# Altium PCB uz_per_wolfspeed_25kw_FM3.PcbDoc (part 1 of 2) (continued)
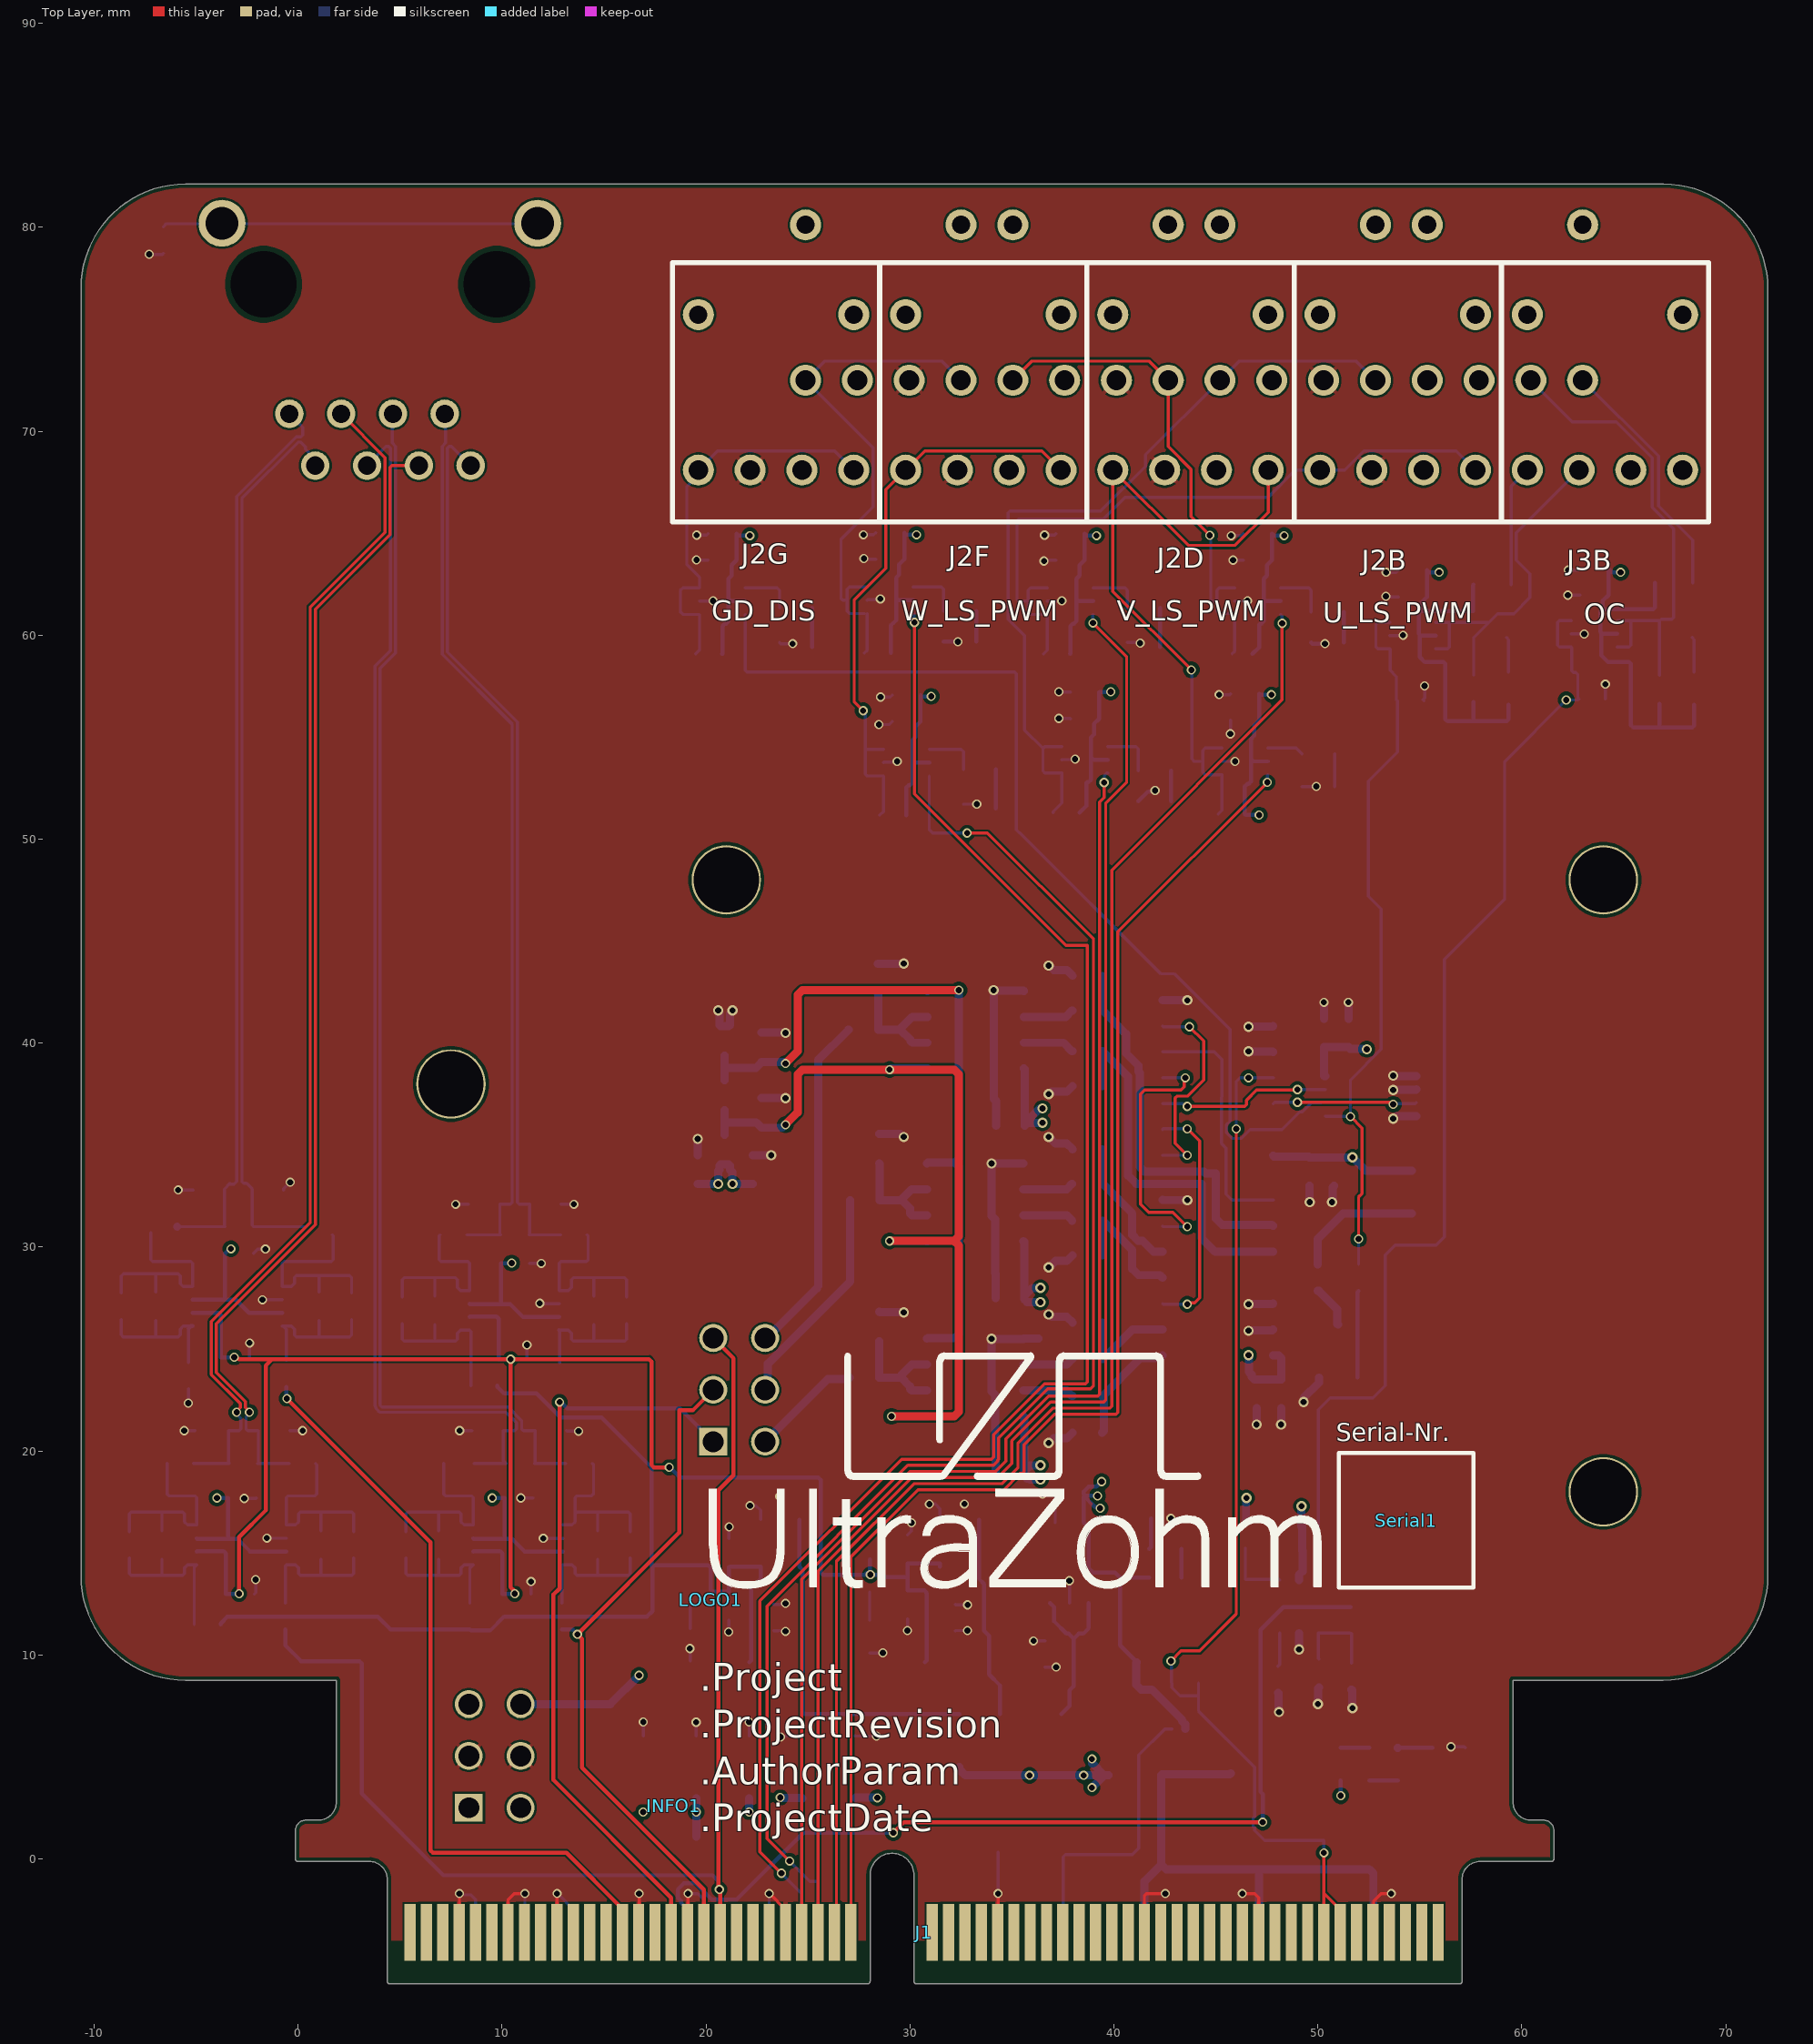
[diagram p0: Top Layer view]
## Part data (continued)
C50: library part 06035C222JAT2A, "Capacitor 0603, 50 VDC, 2.2 nF, X7R", Device Package=0603, LCSC Part Number=C93190, Manufacturer=AVX, Operating Temperature="-55 - 125°C", Supplier Part Number 1=581-06035C222J, TOLERANCE="5 %", Voltage Rating="50 VDC", Component Type="Capacitor 0603", ComponentLink1Description=Datasheet, ComponentLink1URL=https://www.mouser.de/datasheet/2/40/X7RDielectric-777024.pdf, Created from=MGremer, Created On="20/12/2020 13:54:13", Last Updated="15/02/2023 17:14:22", Live Cycle Status=1, Manufacturer Part Number=06035C222JAT2A, Mounting Type=SMD, PartID=77, Series="MLCC X7R", Stock number="not stored", Supplier 1=Mouser, Supplier 2=LCSC, Supplier Part Number 2=C86023, Type=Capacitor
D1A D1B D1C D1D D1E D1F D1G D3 D4 D5 D6: library part LED_Red_0603, "WL-SMCW SMD Mono-color Chip LED Waterclear, size 0603, Red, 2 V, 140°", Emitting Color=Red, Forward Voltage="2 V", LCSC Part Number=C2286, Package=0603, Supplier Part Number 1=2322071, ComponentLink1Description=Manufacturer, ComponentLink1URL=http://www.we-online.de, ComponentLink2Description=Datasheet, ComponentLink2URL=http://katalog.we-online.com/led/datasheet/150060RS75000.pdf, Created=2018_09_06_AGeiger, Dominant Wavelength="625 nm", Luminous Intensity="250 mcd", MF="Wuerth Elektronik", MPN=150060RS75000, Peak Wavelength="630 nm", Published Date="Sep. 2017", Size=0603, Supplier 1=Farnell, Supplier 2=Mouser, Supplier 3=Digi-Key, Supplier Part Number 2=710-150060RS75000, Supplier Part Number 3=732-4978-1-ND, Viewing Angle=140°
D2A D2B: library part LED_Green_0603, "WL-SMCW SMD Mono-color Chip LED Waterclear, size 0603, Green, 3.2 V, 140°", Emitting Color=Green, Forward Voltage="3.2 V", LCSC Part Number=C965804, Package=0603, Supplier Part Number 1=2322070, ComponentLink1Description=Manufacturer, ComponentLink1URL=http://www.we-online.de, ComponentLink2Description=Datasheet, ComponentLink2URL=http://katalog.we-online.com/led/datasheet/150060GS75000.pdf, Created=2018_09_06_AGeiger, Dominant Wavelength="520 nm", Luminous Intensity="430 mcd", MF="Wuerth Elektronik", MPN=150060GS75000, Peak Wavelength="515 nm", Published Date="Sep. 2017", Size=0603, Supplier 1=Farnell, Supplier 2=Mouser, Supplier 3=Digi-Key, Supplier Part Number 2=710-150060GS75000, Supplier Part Number 3=732-4971-1-ND, Viewing Angle=140°
D7: library part UZgen_LED_0805_Red, "Standard LEDs - SMD 0805 red", Color=red, Device Package=0805, Manufacturer=UZgen, Supplier Part Number 1='', Component Type="LED Diode", ComponentLink1Description=N/A, ComponentLink1URL=N/A, Created from=UZgenTool, Created On="09.09.2024 10:45:01", Last Updated="09.09.2024 10:45:01", Live Cycle Status=1, Manufacturer Part Number=UZgen_LED_0805_Red, Mounting Type=SMD, PartID=28, Stock number="not stored", Supplier 1=LCSC, Type=Standard
IC1: "Switching Controllers PWM with 5% to 95% Pulse Width Control", Device Package=SOT-23-6, LCSC Part Number=C581035, Manufacturer="Analog Devices", Operating Temperature="0 to 70 °C", Supplier Part Number 1=584-C6992CS6-2TRMPBF, Component Type="Switching Controllers", ComponentLink1Description=Datasheet, ComponentLink1URL=https://www.mouser.de/datasheet/2/609/LTC6992-1-6992-2-6992-3-6992-4-1852873.pdf, Created from=MHoerner, Created On="11.06.2026 14:34:57", Last Updated="11.06.2026 14:34:57", Live Cycle Status=1, Manufacturer Part Number=LTC6992CS6-2#TRMPBF, Mounting Type=SMD, PartID=12, Stock number="not stored", Supplier 1=Mouser, Supplier 2=LCSC, Supplier Part Number 2=C581035, Type="Switching Controller"
INFO1: Manufacturer=UltraZohm, Supplier Part Number 1=-, Component Type="Design Information", ComponentLink1Description=https://docs.ultrazohm.com/, ComponentLink1URL=homepage, Created from=MGremer, Created On="03/11/2021 09:04:23", Last Updated="03/11/2021 09:28:34", Live Cycle Status=1, Manufacturer Part Number="Design Information", PartID=12, Supplier 1=-, Type="Design Information"
J1: "MATING CARD LAYOUT FOR HSEC8-160-01-XX-DV-A-BL.", Manufacturer=SAMTEC, Component Type=Standard, Created="April 20, 2018 - Wendy Xin", Design Item ID=HSEC8-160-01-XX-DV-A-BL-CARD, PCB DECAL=HSEC8-160-01-XX-DV-A-BL-CARD, Pin Count=120, Source=HSEC8-160-01-XX-DV-A-BL-CARD.SCHLIB
J2A J2B J2C J2D J2E J2F J2G: "Fibre Optic Receivers, LINK HORIZ 5MBd RC VR RoHS", Device Package=THT, Manufacturer=Broadcom, Suppier Part Number 2=516-2062-ND, Supplier Part Number 1=630-HFBR-2521Z, Supply Voltage=5V, Component Type="LWL Receiver", ComponentLink1Description=Datasheet, ComponentLink1URL=https://datasheet.ciiva.com/19453/1584669-19453911.pdf?src-supplier=Jameco, Created=2019_04_09_Kreppel, Created from=VStarost, Created On="27.12.2022 09:44:37", Data Rate="5 MBd", Iout max="25 mA", Last Updated="27.12.2022 09:44:37", Live Cycle Status=1, Manufacturer Part Number=HFBR-2521Z, MF=Boadcom/Avago, Mounting Type=THT, MPN=HFBR-2521Z, PartID=1, Series=HFBR, Stock number="not stored", Supplier 1=Mouser, Supplier 2=Digi-Key, Type="LWL Receiver", Wavelength="660 nm"
J3A J3B: "Fibre Optic Transmitters, Link Horiz 5MBd Tx RoHS", Device Package=THT, Foreward Current="60 mA", Manufacturer=Broadcom, Supplier Part Number 1=630-HFBR-1521Z, Supply Voltage=5V, Component Type="LWL Transmitter", ComponentLink1Description=Datasheet, ComponentLink1URL=https://datasheet.ciiva.com/19453/1584669-19453911.pdf?src-supplier=Jameco, Created=2019_04_09_Kreppel, Created from=VStarost, Created On="27.12.2022 10:35:16", Data Rate="5 MBd", Last Updated="27.12.2022 10:35:16", Live Cycle Status=1, Manufacturer Part Number=HFBR-1521Z, MF=Broadcom/Avago, Mounting Type=THT, MPN=HFBR-1521Z, PartID=2, Series=HFBR, Stock number="not stored", Supplier 1=Mouser, Supplier 2=Digi-Key, Supplier Part Number 2=516-2043-ND, Type="LWL Transmitter", Wavelength="660 nm"
L1 L2 L3 L4: library part "WE-CBF, 742792040", "WE-CBF SMD EMI Suppression Ferrite Bead, 0805, 600Ω", LCSC Part Number=C98308, MPN=742792040, Package=0805, Supplier Part Number 1=2761567, ComponentLink1Description=Manufacturer, ComponentLink1URL=http://www.we-online.de, ComponentLink2Description=Datasheet, ComponentLink2URL=http://katalog.we-online.de/pbs/datasheet/742792040.pdf, MF="Wurth Elektronik", PublishedDate="Aug 2016", Supplier 1=Farnell, Supplier 2=Mouser, Supplier 3=Digi-Key, Supplier Part Number 2=710-742792040, Supplier Part Number 3=732-1620-1-ND, Type="High Current"
LOGO1: library part "Logo small", Manufacturer=UltraZohm, Supplier Part Number 1=-, Component Type=Logo, ComponentLink1Description=https://docs.ultrazohm.com/, ComponentLink1URL=homepage, Created=Jan2021_Liegmann, Created from=MGremer, Created On="03.11.2021 09:04:23", Last Updated="03.11.2021 09:05:50", Live Cycle Status=1, Manufacturer Part Number="Logo small", PartID=10, Supplier 1=-, Type=Logo
R1: library part RC0603JR-070RL, "SMD resistor E24 series", Device Package=0603, LCSC Part Number=C21189, Manufacturer=YAGEO, Supplier Part Number 1=603-RC0603JR-070RL, TOLERANCE=5%, Component Type="SMD resistor", ComponentLink1Description=Datasheet, ComponentLink1URL=https://www.mouser.de/datasheet/2/447/PYu-RC_Group_51_RoHS_L_10-1664068.pdf, Created from=MGremer, Created On="14/12/2020 16:17:14", Last Updated="04/03/2021 09:09:42", Live Cycle Status=1, Manufacturer Part Number=RC0603JR-070RL, Mounting Type=SMD, PartID=1, Stock number="Labor SMD Container", Supplier 1=Mouser, Supplier 2=LCSC, Supplier Part Number 2=C21189, Type=Resistor
R2A R2B R2C R7A R7B R7C R8A R8B R8C R8D R8E R8F R8G R11A R11B R13A R13B R33 R38: library part ERA-3ARB103V, "SMD resistor 0.1%, 10ppm", Device Package=0603, LCSC Part Number=C860067, Manufacturer=Panasonic, Supplier Part Number 1=667-ERA-3ARB103V, TOLERANCE=0.1%, Component Type="SMD resistor", ComponentLink1Description=Datasheet, ComponentLink1URL=https://www.mouser.de/datasheet/2/315/AOA0000C307-1149632.pdf, Created from=DHufnagel, Created On="14/12/2020 16:17:14", Last Updated="25/07/2022 10:07:28", Live Cycle Status=1, Manufacturer Part Number=ERA-3ARB103V, Mounting Type=SMD, PartID=217, Stock number="not stored", Supplier 1=Mouser, Type=Resistor
R3A R3B R3C R5A R5B R5C R34 R36: library part RT0603BRD076K65L, "100mW Thin Film Resistor ±25ppm/℃ ±0.1% 6.65kΩ 0603 Chip Resistor - Surface Mount ROHS", Device Package=0603, LCSC Part Number=C861536, Manufacturer=YAGEO, TOLERANCE=0.1%, Component Type="SMD resistor", ComponentLink1Description=Datasheet, ComponentLink1URL=https://wmsc.lcsc.com/wmsc/upload/file/pdf/v2/lcsc/2210190000_YAGEO-RT0603BRD076K65L_C861536.pdf, Created from=SPark, Created On="30/01/2025 15:18:29", Last Updated="30/01/2025 15:27:22", Live Cycle Status=1, Manufacturer Part Number=RT0603BRD076K65L, Mounting Type=SMD, PartID=361, Supplier 1=LCSC/JLCPCB, Supplier Part Number 1=C861536, Type=Resistor
R4A R4B R4C R6A R6B R6C R28 R35 R37: library part RK73H1JTTD49R9F, "SMD resistor 1%", Device Package=0603, LCSC Part Number=C160046, Manufacturer="KOA Speer", Supplier Part Number 1=660-RK73H1JTTD49R9F, TOLERANCE=1%, Component Type="SMD resistor", ComponentLink1Description=Datasheet, ComponentLink1URL=https://www.mouser.de/datasheet/2/219/RK73H-1825326.pdf, Created from=DHufnagel, Live Cycle Status=1, Manufacturer Part Number=RK73H1JTTD49R9F, Mounting Type=SMD, PartID=214, Stock number="not stored", Supplier 1=Mouser, Supplier 2=LCSC, Supplier Part Number 2=C160046, Type=Resistor
  R4A R4B R4C R6A R6B R6C R28: Created On="14.12.2020 16:17:14", Last Updated="27.05.2022 13:46:35"
  R35 R37: Created On="14/12/2020 16:17:14", Last Updated="27/05/2022 13:46:35"
R9A R9B R9C R9D R9E R9F R9G R12A R12B R26 R27 R29 R30 R31 R32: library part R_0603, "SMD Resistor 0603", LCSC Part Number=C23228, MPN=CR0603-FX-3901ELF, Package=0603, POWER="100 mW", Supplier Part Number 1=652-CR0603-FX3901ELF, TOLERANCE=1%, Voltage=75V, Created=2018_09_06_AGeiger, MF=Bourns, Supplier 1=Mouser
R10A R10B: library part R_0805, "SMD Resistor 0805", Case_EIA=0805, LCSC Part Number=C17437, MPN=CR0805-FX-1200ELF, POWER="125 mW", Supplier Part Number 1=652-CR0805FX-1200ELF*, TOLERANCE=1%, Voltage="150 V", MF=Bourns, Supplier 1=Mouser
R14 R15 R19 R20 R21 R22 R23 R24 R25: "RES SMD 49.9 OHM 1% 1/10W 0603", Case Code (Imperial)=0603, Case Code (Metric)=1608, Manufacturer=PANASONIC, Max Operating Temperature=155°C, Max Power Dissipation=100mW, Min Operating Temperature=-55°C, Package Quantity=5000, Power Rating=0.1W, Resistance=49.9Ω, Resistance Tolerance=1%, Resistor Type="Thick Film", Supplier Part Number 1=12AC1058, Temperature Coefficient=100ppm/°C, Voltage Rating=75V, Voltage Rating (DC)=50V, Working Voltage=6V, Category="Chip SMD Resistors", ComponentLink1Description=https://datasheet.ciiva.com/46388/1678782-46388908.pdf?src-supplier=Element14, ComponentLink1URL=https://datasheet.ciiva.com/46388/1678782-46388908.pdf?src-supplier=Element14, ComponentLink2Description=https://datasheet.ciiva.com/28694/1678782-28694219.pdf?src-supplier=Element14, ComponentLink2URL=https://datasheet.ciiva.com/28694/1678782-28694219.pdf?src-supplier=Element14, ComponentLink3Description=https://datasheet.ciiva.com/16772/70260748-16772570.pdf?src-supplier=Allied+Electronics, ComponentLink3URL=https://datasheet.ciiva.com/16772/70260748-16772570.pdf?src-supplier=Allied+Electronics, ComponentLink4Description=https://datasheet.ciiva.com/16766/70260748-16766262.pdf?src-supplier=Allied+Electronics, ComponentLink4URL=https://datasheet.ciiva.com/16766/70260748-16766262.pdf?src-supplier=Allied+Electronics, ComponentLink5Description=https://datasheet.ciiva.com/9117/aoa0000ce2-9117128.pdf?src-supplier=Avnet, ComponentLink5URL=https://datasheet.ciiva.com/9117/aoa0000ce2-9117128.pdf?src-supplier=Avnet, ComponentLink6Description=https://datasheet.ciiva.com/48531/aoa0000ce2-48531019.pdf?src-supplier=Avnet, ComponentLink6URL=https://datasheet.ciiva.com/48531/aoa0000ce2-48531019.pdf?src-supplier=Avnet, ComponentLink7Description=https://datasheet.ciiva.com/30095/aoa0000ce2-30095355.pdf?src-supplier=Onlinecomponents.com, ComponentLink7URL=https://datasheet.ciiva.com/30095/aoa0000ce2-30095355.pdf?src-supplier=Onlinecomponents.com, Construction=Rectangular, Contact Plating=Tin, Depth=0.8mm, Features="Automotive AEC-Q200", Height=0.022inch, Lead Free="Lead Free", Length=1.6mm, Manufacturer Part Number=ERJ-3EKF49R9V, Military Standard=Not, Mount="Surface Mount", Number of Terminations=2, Package=0603, Packaging="Tape and Reel", Pricing 1="1=0.00600, 5000=0.00600 (USD)", Radiation Hardening=No, Reach SVHC Compliant=Yes, RoHS=Yes, RoHS Compliant=Yes, Series=ERJ, Stock 1=670000, Supplier 1=Newark, Technology="THICK FILM", Termination=SMD/SMT, TOLERANCE=1%, Width=0.8mm
R16 R18: library part RT0603BRD07110RL, "-55℃~+155℃ 100mW 110Ω 75V Thin Film Resistor ±0.1% ±25ppm/℃ 0603 Chip Resistor", Device Package=0603, LCSC Part Number=C705717, Manufacturer=YAGEO, TOLERANCE=0.1%, Component Type="SMD resistor", ComponentLink1Description=Datasheet, ComponentLink1URL=https://www.lcsc.com/datasheet/C705717.pdf?spm=wm.sxq.inf.ggs___wm.fly.bg.0.xh&lcsc_vid=FVULV11UQQVZVQFfRlANUAdQRVAPUAdeQlVcVlZXQFcxVlNeRlBYUVNeRVBaUDsOAxUeFF5JWBYZEEoKFBINSQcJGk4%3D, Created from=MHoerner, Created On="11.06.2026 09:50:14", Last Updated="11.06.2026 09:50:14", Live Cycle Status=1, Manufacturer Part Number=RT0603BRD07110RL, Mounting Type=SMD, PartID=395, Supplier 1=LCSC, Supplier 2=LCSC, Supplier Part Number 1=C705717, Supplier Part Number 2=C705717, Type=Resistor
R17: library part PTFR0603B887RN9, "-55℃~+155℃ 100mW 887Ω 100V Thin Film Resistor ±0.1% ±10ppm/℃ 0603 Chip Resistor", Device Package=0603, LCSC Part Number=C47115921, Manufacturer=RESI, TOLERANCE=0.1%, Component Type="SMD resistor", ComponentLink1Description=Datasheet, ComponentLink1URL=https://www.lcsc.com/datasheet/C47115921.pdf?spm=wm.sxq.inf.ggs___wm.fly.bg.0.xh&lcsc_vid=EQNYVVAFQVNdUwFRFgUPXlRURAANUFNWFgdZBgZURFgxVlNeRlBYUFFTRFRfVDsOAxUeFF5JWBYZEEoKFBINSQcJGk4eFQsCAgIaSgADAwAHC0slQFFbUFVRWQkaCgg%3D, Created from=MHoerner, Created On="11.06.2026 09:50:14", Last Updated="11.06.2026 09:50:14", Live Cycle Status=1, Manufacturer Part Number=PTFR0603B887RN9, Mounting Type=SMD, PartID=396, Supplier 1=LCSC, Supplier 2=LCSC, Supplier Part Number 1=C47115921, Supplier Part Number 2=C47115921, Type=Resistor
R39 R41 R42: library part RK73B1JTTD103J, "SMD resistor E24 series", Device Package=0603, LCSC Part Number=C25804, Manufacturer="KOA Speer", Supplier Part Number 1=660-RK73B1JTTD103J, TOLERANCE=5%, Component Type="SMD resistor", ComponentLink1Description=Datasheet, ComponentLink1URL=https://www.mouser.de/datasheet/2/219/RK73B-1825463.pdf, Created from=MGremer, Created On="14.12.2020 16:17:14", Last Updated="27.05.2022 14:04:22", Live Cycle Status=1, Manufacturer Part Number=RK73B1JTTD103J, Mounting Type=SMD, PartID=98, Stock number="Labor SMD Container", Supplier 1=Mouser, Type=Resistor
R40: library part RK73B1JTTDD221J, "SMD resistor E24 series", Device Package=0603, Manufacturer="KOA Speer", Supplier Part Number 1=660-RK73B1JTTDD221J, TOLERANCE=5%, Component Type="SMD resistor", ComponentLink1Description=Datasheet, ComponentLink1URL=https://www.mouser.de/datasheet/2/219/RK73B-1825463.pdf, Created from=MGremer, Created On="14.12.2020 16:17:14", Last Updated="02.03.2021 14:07:32", Live Cycle Status=1, Manufacturer Part Number=RK73B1JTTDD221J, Mounting Type=SMD, PartID=58, Stock number="Labor SMD Container", Supplier 1=Mouser, Type=Resistor
R43: library part AC0603FR-1068KL, "SMD resistor 1%", Device Package=0603, Manufacturer=Yageo, Supplier Part Number 1=603-AC0603FR-1068KL, TOLERANCE=1%, Component Type="SMD resistor", ComponentLink1Description=Datasheet, ComponentLink1URL=https://www.mouser.de/datasheet/2/447/PYu_AC_51_RoHS_L_7-1714230.pdf, Created from=MGremer, Created On="14.12.2020 16:17:14", Last Updated="21.05.2021 10:06:00", Live Cycle Status=1, Manufacturer Part Number=AC0603FR-1068KL, Mounting Type=SMD, PartID=183, Stock number="not stored", Supplier 1=Mouser, Type=Resistor
R44: library part CR0603-FX-1823ELF, "SMD resistor 1%, 50V, 100ppm", Device Package=0603, LCSC Part Number=C203368, Manufacturer=Bourns, Supplier Part Number 1=652-CR0603FX-1823ELF, TOLERANCE=1%, Component Type="SMD resistor", ComponentLink1Description=Datasheet, ComponentLink1URL=https://www.mouser.de/datasheet/2/54/cr-1858361.pdf, Created from=DHufnagel, Created On="25.07.2022 08:26:35", Last Updated="15.02.2023 18:09:14", Live Cycle Status=1, Manufacturer Part Number=CR0603-FX-1823ELF, Mounting Type=SMD, PartID=235, Stock number="not stored", Supplier 1=Mouser, Type=Resistor
R45: library part CR0603-FX-9763ELF, "SMD resistor 1%, 50V, 100ppm", Device Package=0603, LCSC Part Number=C162980, Manufacturer=Bourns, Supplier Part Number 1=652-CR0603FX-9763ELF, TOLERANCE=1%, Component Type="SMD resistor", ComponentLink1Description=Datasheet, ComponentLink1URL=https://www.mouser.de/datasheet/2/54/cr-1858361.pdf, Created from=DHufnagel, Created On="25.07.2022 08:26:35", Last Updated="15.02.2023 18:14:05", Live Cycle Status=1, Manufacturer Part Number=CR0603-FX-9763ELF, Mounting Type=SMD, PartID=234, Stock number="not stored", Supplier 1=Mouser, Type=Resistor
Serial1: library part "Serial Number", "Serial Number", Manufacturer=UltraZohm, Supplier Part Number 1=-, Component Type="Serial Number", ComponentLink1Description=https://docs.ultrazohm.com/, ComponentLink1URL=homepage, Created=2018_09_18_AGeiger, Created from=MGremer, Created On="03.11.2021 09:04:23", Last Updated="03.11.2021 09:28:34", Live Cycle Status=1, Manufacturer Part Number="Serial Number", PartID=11, Supplier 1=-, Type="Serial Number"
T1: "Bipolartransistor, 40V 200mW 200mA 100@10mA,1V 300MHz 300mV@50mA,5mA NPN +150℃@(Tj) SOT-23(SOT-23-3)", Collector Basis Voltage="60 V", Collector Emitter Voltage="40 V", Device Package=SOT-23-3, LCSC Part Number=C20526, Manufacturer="Jiangsu Changjing Electronics Technology Co., Ltd.", Operating Temperature="-55 - 150 °C", Power Dissipation="200 mW", Component Type=Bipolartransistor, ComponentLink1Description=Datasheet, ComponentLink1URL=https://datasheet.lcsc.com/lcsc/1811011934_Jiangsu-Changjing-Electronics-Technology-Co---Ltd--MMBT3904_C20526.pdf, Created from=NDiringer, Created On="10.06.2022 12:04:49", Last Updated="10.08.2022 13:48:16", Live Cycle Status=1, Manufacturer Part Number=MMBT3904, Mounting Type=SMD, Number Of Channels=single, PartID=2, Polarization=NPN, Series=MMBT3904, Supplier 1=Mouser, Supplier 2=LCSC/JLCPCB, Supplier Part Number 1=MMBT3904, Supplier Part Number 2=C20526, Type=Bipolartransistor
U1A U1B U1C U10: "Fully Differential Amplifier, Low-Power, High Supply Range, 60-MHz", Device Package=VSSOP-8, LCSC Part Number=C2860980, Manufacturer="Texas Instruments", Operating Temperature="-40 to +125 °C", Supplier Part Number 1=595-THS4561IDGKT, Channels=1, CMRR="110 dB", Component Type="Differential Amplifier", ComponentLink1Description=Datasheet, ComponentLink1URL=https://www.ti.com/general/docs/suppproductinfo.tsp?distId=26&gotoUrl=https://www.ti.com/lit/gpn/ths4561, Created from=DHufnagel, Created On="08/07/2022 14:29:07", GBP="68 MHz", Last Updated="30/09/2024 15:54:43", Live Cycle Status=1, Manufacturer Part Number=THS4561IDGKT, Mounting Type=SMD, PartID=13, Series=THS4561, Stock number="not stored", Supplier 1=Mouser, Supplier 2=Digi-Key, Supplier Part Number 2=296-THS4561IDGKTCT-ND, Type="Differential Amplifiers"
U2A U2B U2C U2D U2E U2F U2G U3A U3B U11: library part SN74LVC2GU04DCKR, "This dual inverter is designed for 1.65-V to 5.5-V VCC / operation.", JLCSMT Rotation=180, LCSC Part Number=C116660
U4 U5 U6: library part CMP-04896-000023-1, "IC COMPARATOR R-R HI-SPD 8-SOIC", Ambient Temperature Range High=+125°C, Ambient Temperature Range Low=-40°C, Input Bias Current=0.000002uA, Input Offset Voltage=1mV, Manufacturer="TEXAS INSTRUMENTS", Max Junction Temp=+150°C, Max Supply Voltage=5.5V, Min Supply Voltage=2.2V, Nominal Supply Current=3.2mA, Package=8-SOIC, Temperature="-40°C to +125°C", Automotive=No, Category=IC, ComponentLink2Description=Datasheet, ComponentLink2URL=http://www.ti.com/lit/ds/symlink/tlv3502.pdf, Device Class L1="Integrated Circuits (ICs)", Device Class L2="Linear ICs", Device Class L3=Comparators, Digikey Description="IC COMPARATOR R-R HI-SPD 8-SOIC", Height=1.75mm, Lead Free=Yes, Manufacturer Part Number=TLV3502AID, Manufacturer Print="TEXAS INSTRUMENTS", Mouser Description="TLV3502AID Texas Instruments, Dual Comparator, Push-Pull O/P, 3 V, 5 V 8-Pin SOIC", Number Of Channels=2, Octopart=https://octopart.com/tlv3502aid-texas+instruments-428400, RoHS=TRUE, Standoff Height=0.11mm, Temperature Range High=+125°C, Temperature Range Low=-40°C
U7: "No Description Available", LCSC Part Number=C2862740, Mfr_Name="Texas Instruments", RefDes=RefDes, Type=TYPE
U8: "No Description Available", LCSC Part Number=C20345634, Mfr_Name="Texas Instruments", RefDes=RefDes, Type=TYPE
U9: "No Description Available", LCSC Part Number=C6265005, Mfr_Name="Texas Instruments", RefDes=RefDes, Type=TYPE
U12 U13: "Logische Gatter 4-ch 2-input 2-V to 6-V high-speed", Device Package=SOIC-14, LCSC Part Number=C2868021, Manufacturer="Texas Instruments", Operating Temperature="-40 to +125 °C", Supplier Part Number 1=595-SN74HCS08DR, Component Type=AND, ComponentLink1Description=Datasheet, ComponentLink1URL=https://www.ti.com/lit/ds/symlink/sn74hcs08.pdf?ts=1782076450125, Created from=FRosner, Created On="22.06.2026 16:12:32", Last Updated="22.06.2026 16:23:25", Live Cycle Status=1, Manufacturer Part Number=SN74HCS08DR, Mounting Type=SMD, PartID=11, Series=SN74HCS08, Stock number="not stored", Supplier 1=Mouser, Supplier 2=LCSC, Supplier Part Number 2=C2868021, Type=AND
U14: "Single Positive-Edge-Triggered D-Type Flip-Flop with Clear and Preset", Device Package=MSOP-8, LCSC Part Number=C840104, Manufacturer="Texas Instruments", Operating Temperature="-40 - +125 °C", Component Type=Flip-Flops, ComponentLink1Description=Datasheet, ComponentLink1URL=https://www.ti.com/lit/ds/symlink/sn74lvc1g74.pdf?ts=1781141639063, Created from=FRosner, Created On="11.06.2026 11:01:37", Last Updated="19.06.2026 11:11:41", Live Cycle Status=1, Manufacturer Part Number=SN74LVC1G74DCTR, Mounting Type=SMD, PartID=22, Stock number="not stored", Supplier 1=LCSC, Supplier Part Number 1=C840104, Type=Flip-Flops
X1: LCSC Part Number=C386758
X2 X3: "Pin Header 3x2", Device Package=THT, LCSC Part Number=C5116479, Manufacturer=ZHOURI, Operating Temperature="-55 -125 °C", Package=None, Supplier Part Number 1="ZHOURI 2.54-1*3", Availability=Unavailable, Component Type="Pin Header", ComponentLink1Description=Datasheet, ComponentLink1URL=https://datasheet.lcsc.com/lcsc/2207291800_ZHOURI-2-54-1-3_C5116482.pdf, Created from=KIlhan, Created On="05.07.2023 16:24:09", Last Updated="11.02.2025 12:55:43", Live Cycle Status=1, Manufacturer Part Number=2.54-2*3, MF=Samtec, Mounting Type=THT, MP=TSW-103-05-G-D, Number of Positions=3, Number of Rows=2, PartID=14, Price=None, Series=2.54-1*3, Stock number="not stored", Supplier 1=LCSC, Type="Pin Header"

## Free pads (board coordinates)
  round 3.4 hole 3.2 unplated: 2(7.5,38) 2(21,48) 2(64,18) 2(64,48)

## Via types
v1: diameter 0.45, hole 0.3, Top Layer to Bottom Layer, 171 vias
v2: diameter 0.5, hole 0.3, Top Layer to Bottom Layer, 49 vias

## Nets (pads, with @x,y where several pads share a name; then routed paths per layer and width w, separated by ;. In a path a pad name is that pad's centre, name@x,y a point inside that pad or via, vN(x,y) a via of type N, cw(c..) or ccw(c..) an arc to the next point about the centre after c; other vN are vias at no path point)
5V: 2.1 C1.1 C2.1 C3.1 C4.1 C5.1 C10A.1 C10B.1 C10C.1 C52.1 L1.2 L2.1 L3.1 L4.1 R26.2 U1A.3 U1A.7 U1B.3 U1B.7 U1C.3 U1C.7 U10.3 U10.7 X2.01 X2.02 | length 44.3
  Bottom Layer w0.2: U10.3@-5.17,27.425 -3.566,27.425 ; U1C.3@-4.972,15.725 -4.947,15.7 -3.472,15.7 ; v1(-3.975,17.7) C10C.1@-3.437,17.7 -3.437,15.734 -3.472,15.7 ; v1(-3.29,29.915) -3.36,29.915 C52.1@-3.575,29.7 -3.575,27.434 -3.566,27.425 ; U10.7@-0.77,26.775 -2.4,26.775 -3.05,27.425 -3.566,27.425 ; U1C.7@-0.572,15.075 -2.347,15.075 -2.972,15.7 -3.472,15.7 ; U1A.3@8.41,27.225 8.435,27.2 9.975,27.2 ; U1B.3@8.591,15.725 8.616,15.7 10.171,15.7 ; v1(9.525,17.7) C10B.1@10.125,17.7 10.125,15.746 10.171,15.7 ; v1(10.473,29.215) 10.458,29.2 C10A.1@9.944,29.2 9.944,27.231 9.975,27.2 ; U1A.7@12.81,26.575 11.035,26.575 10.41,27.2 9.975,27.2 ; U1B.7@12.991,15.075 11.109,15.075 10.484,15.7 10.171,15.7 ; v1(51.125,3.1) R26.2@51.125,3.85
  Bottom Layer w0.4: 2.1@19.525,1.1 v1(19.525,2.3) C5.1@19.525,2.972 ; v1(22.125,2.3) C2.1@22.125,2.972 ; v1(23.64,3.012) 23.661,2.99 24.707,2.99 C1.1@24.725,2.972 ; C4.1@27.343,2.99 27.362,3.009 28.394,3.009 v1(28.403,3) ; L3.1@32.425,4.3 L3.1@32.425,4.5 32.425,4.4 32.725,4.1 v1(35.866,4.1) v1(38.52,4.1) L1.2@39.725,4.1 L1.2@39.525,4.1 ; v1(38.923,3.498) L1.2@39.525,4.1 ; v1(38.925,4.9) 38.935,4.89 38.935,4.69 L1.2@39.525,4.1
  other v1: 16.925,2.3
5V_Inverter: 1.1 J1.84 J1.98 J1.112 L1.1 | length 28.1
  Bottom Layer w0.4: J1.84@41.5,-3.6 41.5,-1.091 42.325,-0.266 ; 1.1@45.725,4.2 45.675,4.15 42.375,4.15 L1.1@42.325,4.1 42.325,-0.266 ; J1.98@47.113,-3.6 47.113,-0.631 46.982,-0.5 ; J1.112@52.7,-3.6 52.725,-3.575 52.725,-0.7 52.525,-0.5 46.982,-0.5 ; 42.325,-0.266 42.559,-0.5 46.982,-0.5
5V_Spare: J1.48
/OC: U12.12 U14.3 | length 7.1
  Top Layer w0.15: v1(49,37.1) 53.519,37.1 53.619,37 v1(53.7,37)
  Bottom Layer w0.15: U12.12@47.812,37.03 47.882,37.1 v1(49,37.1) ; v1(53.7,37) 53.737,37.038 54.788,37.038 U14.3@54.825,37.075
AnSig4_N: C50.2 C51.1 R37.2 X1.A2 | length 44
  Bottom Layer w0.15: R37.2@0.375,31 C50.2@-2.175,31 -2.245,31.07 -2.245,32.852 -2.522,33.129 -2.661,33.129 -2.748,33.217 -2.748,52.93 -2.748,66.707 0.013,69.468 0.137,69.468 0.372,69.234 0.372,69.129 0.845,68.656 X1.A2@0.845,68.318
AnSig4_P: C49.2 C50.1 R35.2 X1.A1 | length 44.4
  Bottom Layer w0.15: R35.2@-5.925,31 C50.1@-3.575,31 -3.605,31.03 C49.2@-3.605,32.8 -3.605,32.851 -3.328,33.127 -3.328,33.078 -3.139,33.078 -3,33.217 -3,53.034 -3,66.811 -0.091,69.72 0.137,69.72 0.225,69.807 0.225,70.2 -0.425,70.85 X1.A1@-0.425,70.858
AnSigA_N: C8A.2 C9A.1 R6A.2 X1.A8 | length 43.6
  Bottom Layer w0.15: X1.A8@8.465,68.318 7.532,69.25 7.408,69.25 7.32,69.163 7.32,59.177 10.751,55.746 10.751,32.188 10.839,32.1 C9A.1@11.355,32.1 C8A.2@11.355,30.63 ; C8A.2@11.325,30.6 C8A.2@11.355,30.63 ; R6A.2@12.875,30.6 11.385,30.6 C8A.2@11.355,30.63
AnSigA_P: C7A.2 C8A.1 R4A.2 X1.A7 | length 44
  Bottom Layer w0.15: X1.A7@7.195,70.858 7.23,70.823 7.23,69.428 7.068,69.267 7.068,59.073 10.499,55.642 10.499,32.188 10.411,32.1 C7A.2@9.895,32.1 9.895,30.63 C8A.1@9.925,30.6 R4A.2@8.275,30.6
AnSigB_N: C8B.2 C9B.1 R6B.2 X1.A5 | length 60.5
  Bottom Layer w0.15: X1.A5@4.655,70.858 4.62,70.823 4.62,69.428 4.782,69.267 4.782,59.138 4.025,58.381 4.025,35.313 4.025,22.301 ccw(c4.175,22.301) 4.068,22.196 ccw(c4.175,22.301) 4.175,22.151 10.31,22.151 10.967,21.494 10.967,21.088 11.054,21 C9B.1@11.621,21 11.621,19.43 C8B.2@11.591,19.4 R6B.2@13.125,19.4
AnSigB_P: C7B.2 C8B.1 R4B.2 X1.A4 | length 60.4
  Bottom Layer w0.15: X1.A4@3.385,68.318 4.318,69.25 4.442,69.25 4.53,69.163 4.53,59.242 3.773,58.485 3.773,22.301 ccw(c4.175,22.301) 3.888,22.021 ; 3.889,22.02 ccw(c4.068,22.196) 3.89,22.018 3.965,21.944 ccw(c4.071,22.05) 3.97,21.939 3.989,21.922 cw(c3.888,21.811) 4.009,21.9 10.205,21.9 10.715,21.39 10.715,21.088 10.627,21 C7B.2@10.061,21 10.061,19.53 C8B.1@10.191,19.4 R4B.2@8.625,19.4
AnSigC_N: C8C.2 C9C.1 R6C.2 X1.A6 | length 56.6
  Top Layer w0.15: v1(-2.385,21.9) -2.385,21.949 -2.574,22.138 -2.574,22.429 -4,23.856 -4,26.247 0.852,31.099 0.852,61.273 4.513,64.935 4.513,68.23 4.601,68.318 X1.A6@5.925,68.318
  Bottom Layer w0.15: v1(-2.385,21.9) -2.385,21.825 -2.548,21.662 -2.548,21.088 -2.46,21 C9C.1@-1.942,21 -1.942,19.43 C8C.2@-1.972,19.4 R6C.2@-0.437,19.4
AnSigC_P: C7C.2 C8C.1 R4C.2 X1.A3 | length 59
  Top Layer w0.15: v1(-3.01,21.9) -3.01,21.981 -2.982,21.981 -2.825,22.138 -2.825,22.325 -4.252,23.752 -4.252,26.352 0.6,31.203 0.6,61.377 4.262,65.039 4.262,68.334 4.273,68.345 4.273,68.699 X1.A3@2.115,70.858
  Bottom Layer w0.15: R4C.2@-5.122,19.4 C8C.1@-3.372,19.4 -3.405,19.433 C7C.2@-3.405,21 -2.887,21 -2.799,21.088 -2.799,21.608 -3.01,21.819 v1(-3.01,21.9)
Bias1.7V: 4.1 C42.1 C43.1 R3A.1 R3B.1 R3C.1 R28.1 U8.6 | length 51
  Bottom Layer w0.2: R3C.1@-3.787,11.5 -3.787,11.55 -3.462,11.875 -3.347,11.875 -3.345,11.876 3.916,11.876 4.543,11.25 R3B.1@8.425,11.25 8.475,11.2 9.425,11.2 10.1,11.875 12.388,11.875 12.39,11.876 13.507,11.876 13.509,11.875 17.102,11.875 17.375,12.148 17.375,14.4 20.108,14.4 20.225,14.283 20.225,13.217 20.342,13.1 C43.1@21.125,13.1 C42.1@21.125,14.3 21.161,14.336 U8.6@22.68,14.336 22.68,13.738 22.475,13.533 22.342,13.533 22.225,13.416 22.225,9.743 4.1@22.125,9.643 ; R3A.1@9.775,23.2 9.775,23.15 10.1,22.825 11.693,22.825 12.876,21.641 14.884,21.641 17.325,19.2 17.325,14.35
FANx_OUT: J1.105 J1.107 U11.1 U11.3 U12.11 | length 53.8
  Top Layer w0.15: v1(42.8,9.7) 43.3,10.2 44.2,10.2 46,12 v1(46,35.8) ; v1@46.521,38.3 v1(46.6,38.3) ; J1.105@50.3,-3.6 50.3,-1.675 ; v1(50.3,0.3) 50.3,-1.675 ; J1.107@51.1,-3.6 51.1,-2.475 50.3,-1.675
  Bottom Layer w0.15: v1(42.8,9.7) 42.825,9.675 42.825,8.65 U11.1@42.85,8.625 42.85,8.4 43.25,8 44.15,8 ; U11.3@44.15,8.625 44.15,8 ; v1(46,35.8) 46,38.1 46.2,38.3 v1(46.6,38.3) U12.11@47.812,38.3 ; v1(50.3,0.3) 50.3,0.9 47.4,0.9 46.9,1.4 46.9,1.528 46.825,1.603 46.825,1.997 46.9,2.072 46.9,4.5 44.15,7.25 44.15,8
Gate_Enable: U2G.6 U12.13 U14.6 | length 48.9
  Bottom Layer w0.15: U2G.6@21.935,61.018 21.935,58.288 22.023,58.2 35.137,58.2 35.225,58.112 35.225,50.449 35.359,50.315 35.385,50.315 42.3,43.4 42.972,43.4 45.7,40.672 45.7,36.172 45.525,35.997 45.525,35.603 45.803,35.325 46.246,35.325 46.681,35.76 U12.13@47.812,35.76 48.25,35.76 49.115,36.625 49.25,36.625 49.7,37.075 U14.6@50.15,37.075
GD_DIS: J1.74 U11.6 | length 14.3
  Bottom Layer w0.15: J1.74@37.513,-3.6 37.513,0.1 37.63,0.217 40.908,0.217 41.225,0.534 41.225,5.1 42.5,6.375 U11.6@42.85,6.375